# Altium PCB Moki V2.PcbDoc
Units mm, origin at the board's own origin, x right, y up, seen from the top; angles counter-clockwise.
Board outline 66.99 x 45 mm, 2 copper layers (Top Layer, Bottom Layer), stack 1.534 mm thick; 57 components, 58 nets, 287 pads, 120 vias.
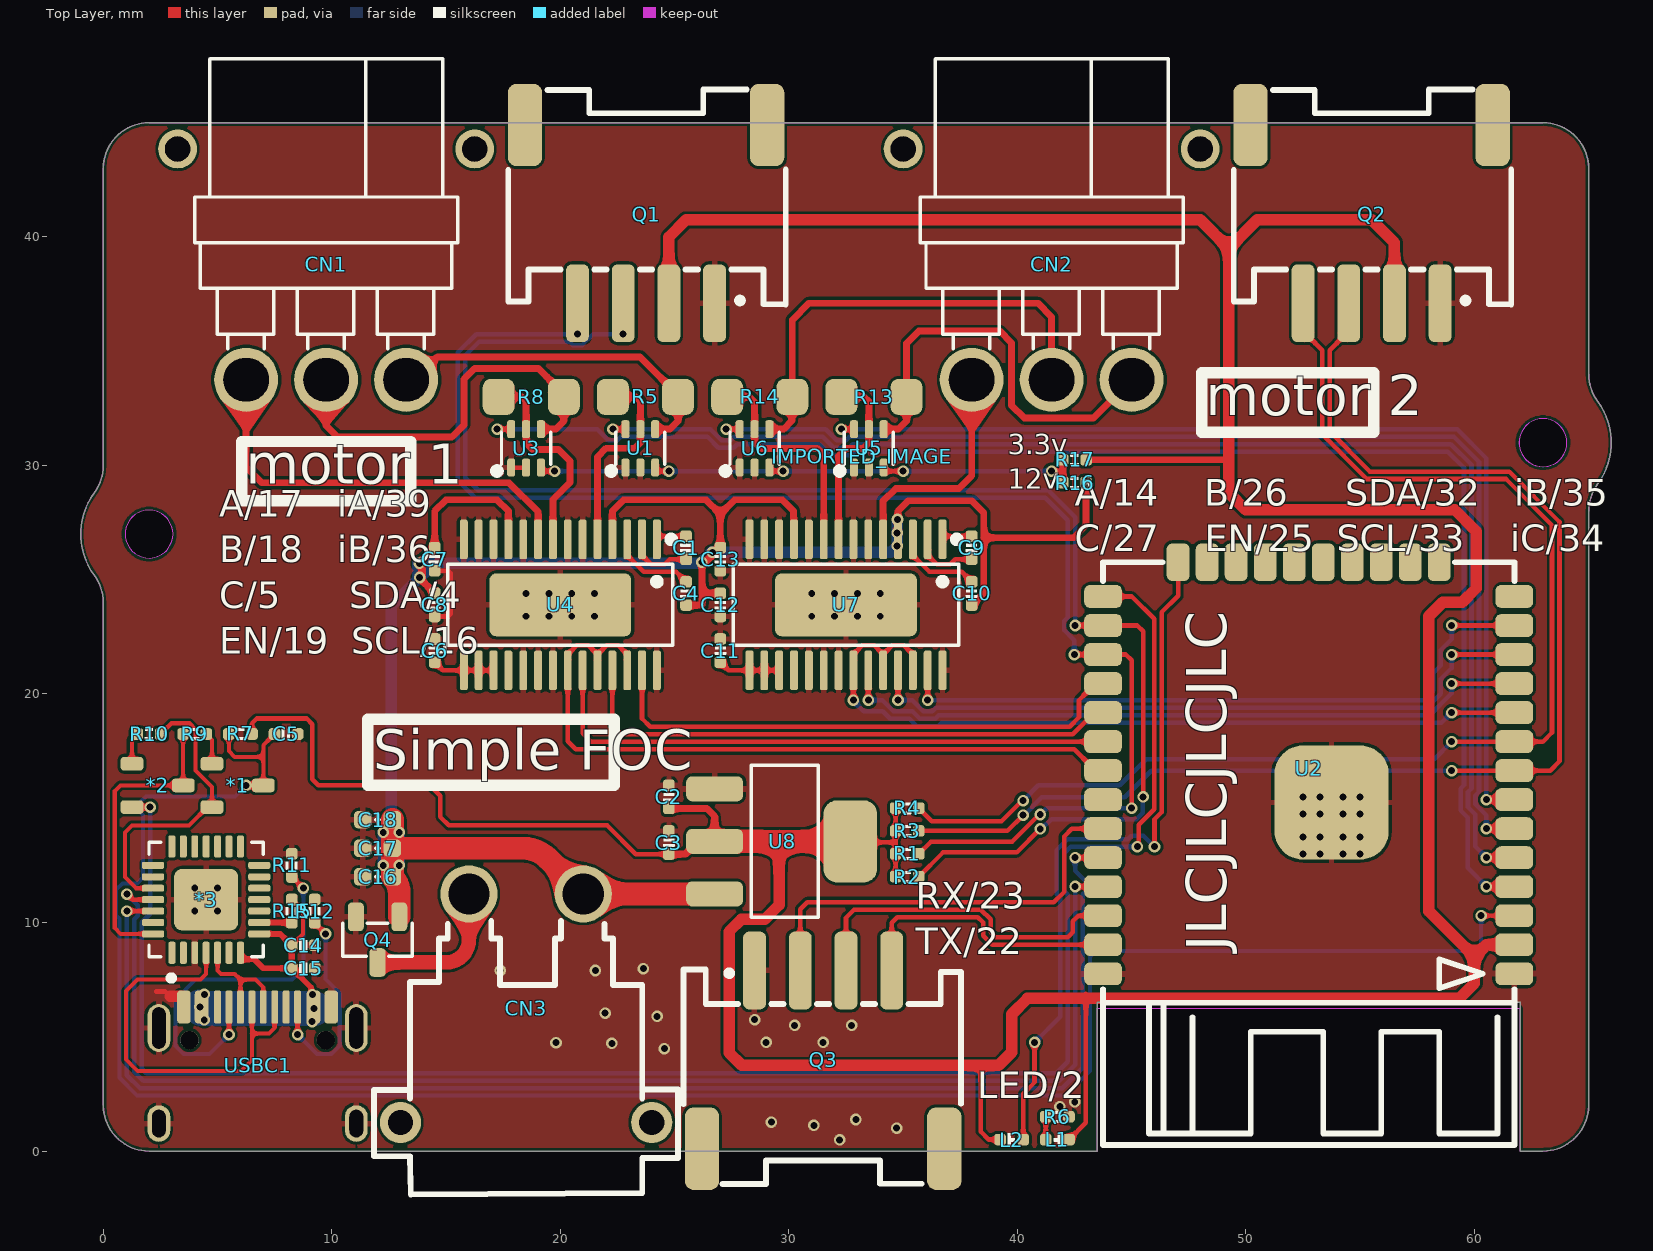
[diagram p0: Top Layer view]
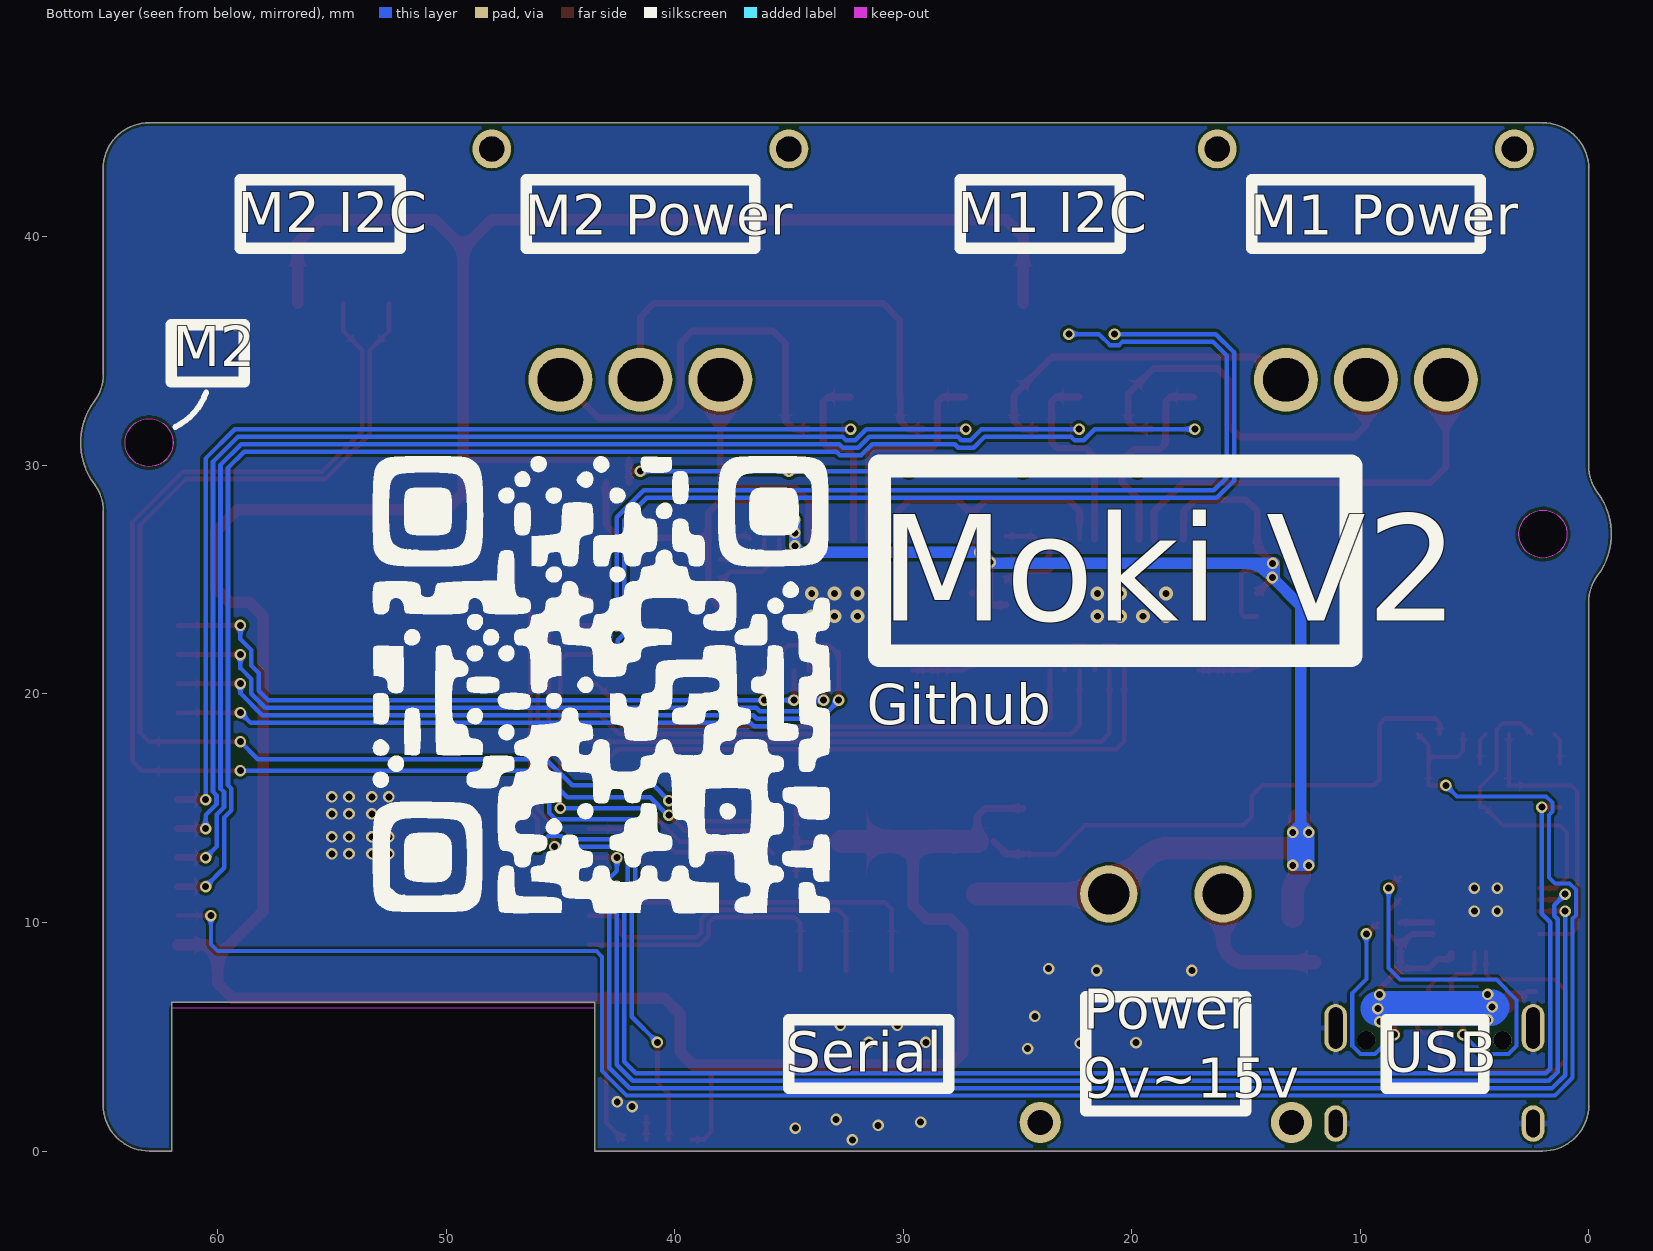
[diagram p1: Bottom Layer view, seen from below]
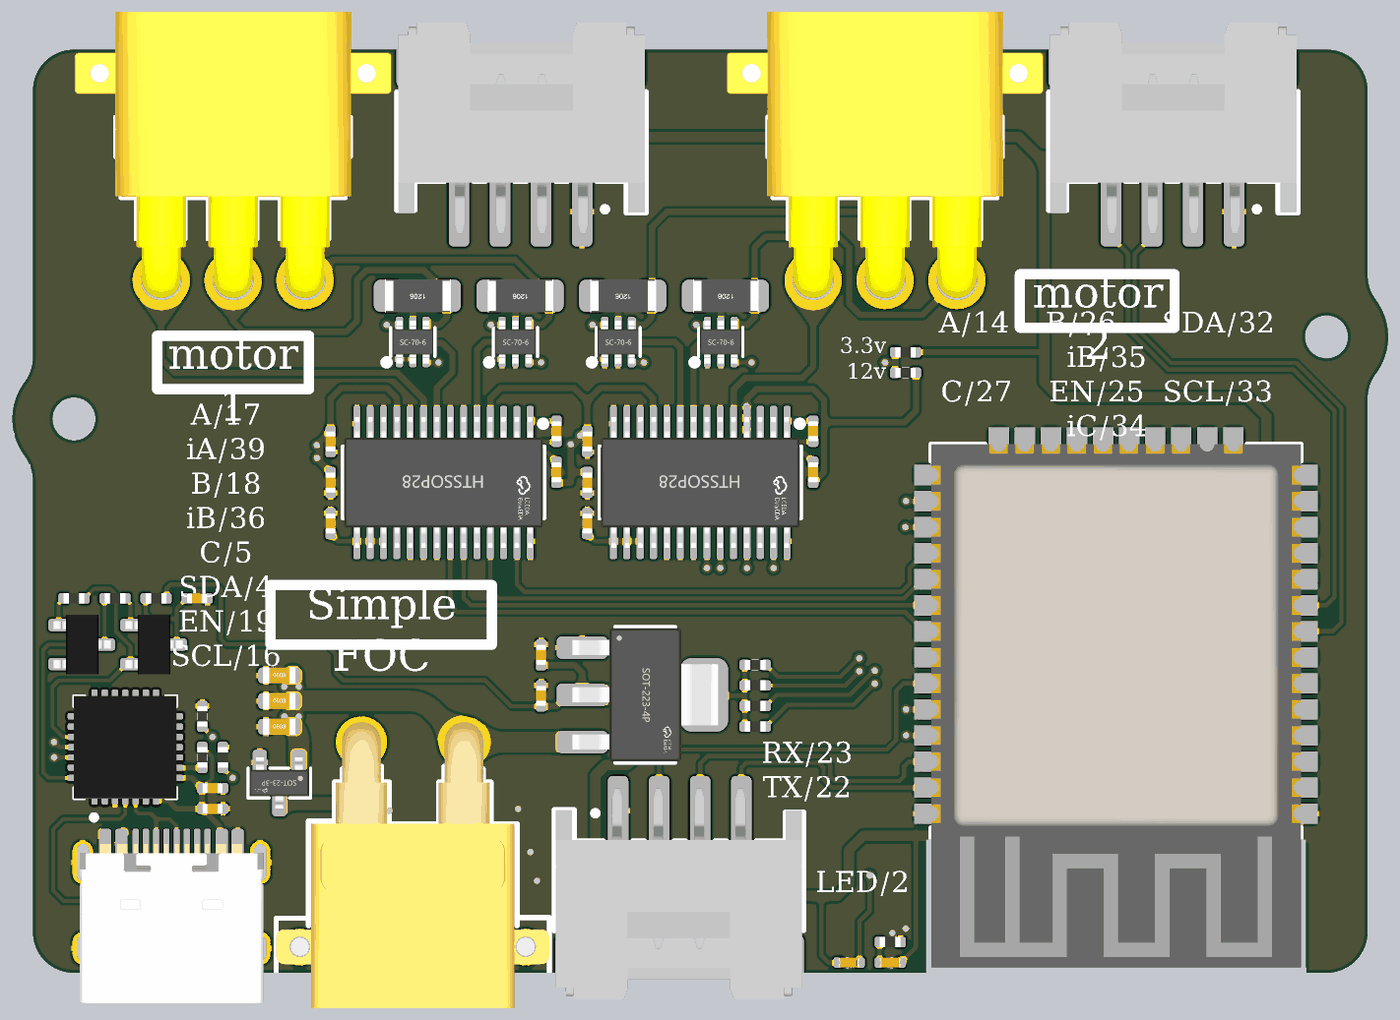
[diagram p2: 3D render of the assembled board from above, using the file's embedded part models]

## Layer stack, top to bottom
Top Solder: solder mask 0.0127, Solder Resist, Dk 3.3
Top Layer: signal copper 0.0178
Dielectric1: core 1.4986, FR-4, Dk 4.3
Bottom Layer: signal copper 0.0178
Bottom Solder: solder mask 0.0127, Solder Resist, Dk 3.3

## Board outline
0,2 0,24 ccw(c-2,24) -0.4,25.2 cw(c2,27) -0.4,28.8 ccw(c-2,30) 0,30 0,43 cw(c2,43) 2,45 63,45 cw(c63,43) 65,43 65,34 ccw(c67,34) 65.4,32.8 cw(c63,31) 65.4,29.2 ccw(c67,28) 65,28 65,2 cw(c63,2) 63,0 62,0 62,6.5 43.5,6.5 43.5,0 2,0 cw(c2,2)
cut-out: 61.95,31 ccw(c63,31) 63,29.95 ccw(c63,31) 64.05,31 ccw(c63,31) 63,32.05 ccw(c63,31)
cut-out: 0.95,27 ccw(c2,27) 2,25.95 ccw(c2,27) 3.05,27 ccw(c2,27) 2,28.05 ccw(c2,27)

## Design rules (kind name [scope] priority, off if disabled: settings)
Clearance [All] p1: gap=0.127 ignorepadtopadclearanceinfootprint=FALSE
ComponentClearance [All] p1: gap=0 collisioncheckmode=3 verticalgap=0 showdistances=FALSE
DiffPairsRouting [All] p1: maxlimit=0.229 minlimit=0.229 mostfreqgap=0.229 toplayer_minwidth=0.102 toplayer_maxwidth=0.102 toplayer_prefwidth=0.102 bottomlayer_minwidth=0.102 bottomlayer_maxwidth=0.102 bottomlayer_prefwidth=0.102 maxuncoupledlength=12.7
FanoutControl Fanout_BGA [All] p1: bgadir=Out bgaviamode=Centered fanoutstyle=Auto fanoutdirection=Alternating viagrid=0.025 // Fanout_BGA (Default Rule)
HoleSize [All] p1: absolutevalues=TRUE maxlimit=254 minlimit=0.203 maxpercent=80.000 minpercent=20.000
MinimumSolderMaskSliver [All] p1 off: minsoldermaskwidth=0.051
PlaneClearance [All] p1: clearance=0.127
PlaneConnect [All] p1: pad.planeconnectstyle=Relief pad.reliefexpansion=0.127 pad.reliefentries=4 pad.reliefconductorwidth=0.254 pad.reliefairgap=0.127 via.planeconnectstyle=Direct via.reliefexpansion=0.127 via.reliefentries=4 via.reliefconductorwidth=0.254 via.reliefairgap=0.127
PolygonConnect [All] p1: thpad.connectstyle=Relief thpad.reliefconductorwidth=0.254 thpad.reliefentries=4 thpad.polygonreliefangle="90 Angle" thpad.airgapwidth=0.127 smdpad.connectstyle=Relief smdpad.reliefconductorwidth=0.254 smdpad.reliefentries=4 smdpad.polygonreliefangle="90 Angle" smdpad.airgapwidth=0.127 via.connectstyle=Direct via.reliefconductorwidth=0.254 via.reliefentries=4 via.polygonreliefangle="90 Angle" via.airgapwidth=0.127
RoutingVias [All] p1: holewidth=0.203 width=0.406 viastyle="Through Hole" minholewidth=0.152 minwidth=0.305 maxholewidth=0.711 maxwidth=1.27
SilkToSilkClearance [All] p1: silktosilkclearance=0
SilkToSolderMaskClearance [IsPad] p1: minsilkscreentomaskgap=0 clearancetoexposedcopper=TRUE
SolderMaskExpansion [All] p1: expansion=0.076 istentingtop=FALSE
UnRoutedNet [All] p1: checkbadconnections=TRUE
Width [All] p1: maxlimit=254 minlimit=0.152 preferedwidth=0.178
20 further rules are at their usual default settings.

## Components (designator, comment, footprint, x,y, rotation, side; value= is the part's Value field where it differs from the comment)
*1 "S8050" SOT22-3 6,16 r0 top
*2 "S8050" SOT22-3 2.5,16 r0 top
*3 "CP2102" QFN-28 4.5,11 r90 top
C1 "0.01uF" 电容-0402 25.5,26.4 r90 top locked
C2 "10uF" 电容-0402 24.75,15.5 r90 top
C3 "0.1uF" 电容-0402 24.75,13.5 r90 top
C4 "0.1uF" 电容-0402 25.5,24.4 r270 top locked
C5 "10uF" 电容-0402 8,18.25 r0 top
C6 "0.1uF" 电容-0402 14.5,21.9 r270 top locked
C7 "10uF" 电容-0402 14.5,25.9 r90 top locked
C8 "0.1uF" 电容-0402 14.5,23.9 r90 top locked
C9 "0.01uF" 电容-0402 38,26.4 r90 top locked
C10 "0.1uF" 电容-0402 38,24.4 r270 top locked
C11 "0.1uF" 电容-0402 27,21.9 r270 top
C12 "10uF" 电容-0402 27,23.9 r90 top locked
C13 "0.1uF" 电容-0402 27,25.9 r90 top locked
C14 "10uF" 电容-0402 8.75,9 r0 top
C15 "10uF" 电容-0402 8.75,8 r180 top
C16 "10uF" C0603_L 12,12 r0 top
C17 "10uF" C0603_L 12,13.25 r0 top
C18 "10uF" C0603_L 12,14.5 r0 top
CN1 "MR30PW-F" CONN-TH_MR30PW-F 9.75,36.25 r180 top locked
CN2 "MR30PW-F" CONN-TH_MR30PW-F 41.5,36.25 r180 top locked
CN3 "XT30PW-M" CONN-TH_XT30PW-M 18.5,6.25 r0 top locked
IMPORTED_IMAGE "Comment" IMPORTED_IMAGE 33.2,30.4 r0 top
L1 "LED-0402" LED-0402 41.75,0.5 r180 top
L2 "LED-0402" LED-0402 39.75,0.5 r0 top
Q1 "GROVE" GROVE 23.75,41 r180 top locked
Q2 "GROVE" GROVE 55.5,41 r180 top locked
Q3 "GROVE" GROVE 31.5,4 r0 top locked
Q4 "AO3400_C181090" SOT-23-3_L2.9-W1.3-P1.90-LS2.4-BR 12,9.25 r90 top
R1 "10K" 电阻-0402 35.177,13.007 r0 top
R2 "10K" 电阻-0402 35.177,12.007 r0 top
R3 "10K" 电阻-0402 35.177,14.007 r0 top
R4 "10K" 电阻-0402 35.177,15.007 r0 top
R5 "0.001" R1206 23.75,33 r180 top
R6 "5.1K" 电阻-0402 41.75,1.5 r0 top
R7 "10K" 电阻-0402 6,18.25 r0 top
R8 "0.001" R1206 18.75,33 r180 top
R9 "10K" 电阻-0402 4,18.25 r0 top
R10 "10K" 电阻-0402 2,18.25 r180 top
R11 "5.1K" 电阻-0402 8.25,12.5 r90 top
R12 "5.1K" 电阻-0402 9.25,10.5 r90 top
R13 "0.001" R1206 33.75,33 r180 top
R14 "0.001" R1206 28.75,33 r180 top
R15 "5.1K" 电阻-0402 8.25,10.5 r270 top
R16 "NC" 电阻-0402 42.5,29.25 r0 top
R17 "NC" 电阻-0402 42.5,30.25 r0 top
U1 "INA199B1DCKR" SC-70-6_L2.2-W1.3-P0.65-LS2.1-BL 23.5,30.75 r0 top
U2 "ESP32-WROOM-32" ESP32-WROOM-32 53.75,15.25 r180 top locked
U3 "INA199B1DCKR" SC-70-6_L2.2-W1.3-P0.65-LS2.1-BL 18.5,30.75 r0 top
U4 "DRV8313PWPR" HTSSOP-28_L9.8-W4.5-P0.65-LS6.6-BL-EP 20,23.9 r180 top locked
U5 "INA199B1DCKR" SC-70-6_L2.2-W1.3-P0.65-LS2.1-BL 33.5,30.75 r0 top
U6 "INA199B1DCKR" SC-70-6_L2.2-W1.3-P0.65-LS2.1-BL 28.5,30.75 r0 top
U7 "DRV8313PWPR" HTSSOP-28_L9.8-W4.5-P0.65-LS6.6-BL-EP 32.5,23.9 r180 top locked
U8 "AMS1117" SOT-223-3_L6.5-W3.4-P2.30-LS7.0-BR 29.72,13.55 r180 top
USBC1 "TYPE-C 2.0 -16P" USB-C-SMD_16P 6.75,3.75 r0 top locked

## Footprints (in the part's own frame and the unit in brackets; to place one, negate y for a bottom-side part, rotate by r counter-clockwise, add the part's x,y. Pads: shape width x height; smd on the part's side, far side on the other; paste and mask are expansions set on the pad)
C0603_L [mil] "贴片MLCC电容"
  rrect50% 30x30 smd: 1(-25.59,0) 2(25.59,0)
  silkscreen extent -3,-9 3,9, body extent -31,-16 32,16, height 33
CONN-TH_MR30PW-F [mm]
  round 2.799 hole 1.9 slot 1.994 at 0 deg mask+0.05: 1(-3.5,2.499) 2(0,2.499) 3(3.5,2.499)
  round 1.699 hole 1.1 mask+0.05: 4(6.5,-7.6) 5(-6.5,-7.6)
  silkscreen extent -5.75,-11.56 5.75,1.15, body extent -7.7,-10.6 7.7,3.35, height 5.05
CONN-TH_XT30PW-M [mm]
  round 2.5 hole 1.8 mask+0.051: 1(-2.5,5) 2(2.5,5)
  round 1.8 hole 1.1 mask+0.051: 3(5.5,-5) 4(-5.5,-5)
  silkscreen extent -6.65,-8.15 6.65,3.81, body extent -6.65,-7.98 6.65,5.97, height 5
ESP32-WROOM-32 [mil]
  rrect50% 65x39.4 smd mask+2: 1(-314.9,295) 2(-314.9,245) 3(-314.9,195) 4(-314.9,145) 5(-314.9,95) 6(-314.9,45) 7(-314.9,-5) 8(-314.9,-55) 9(-314.9,-105) 10(-314.9,-155) 11(-314.9,-205) 12(-314.9,-255) 13(-314.9,-305) 14(-314.9,-355) 25(393.7,-355) 26(393.7,-305) 27(393.7,-255) 28(393.7,-205) 29(393.7,-155) 30(393.7,-105) 31(393.7,-55) 32(393.7,-5) 33(393.7,45) 34(393.7,95) 35(393.7,145) 36(393.7,195) 37(393.7,245) 38(393.7,295)
  rrect50% 39.4x65 smd mask+2: 15(-185.6,-414) 16(-135.6,-414) 17(-85.6,-414) 18(-35.6,-414) 19(14.4,-414) 20(64.4,-414) 21(114.4,-414) 22(164.4,-414) 23(214.4,-414) 24(264.4,-414)
  rrect50% 196.9x196.9 smd mask+2: 39(0,0)
  silkscreen extent -315,-414 394,590, body extent -315,-414 394,590, height 122
GROVE [mm]
  rrect50% 1x3.4 smd: 1(-3,3.9) 2(-1,3.9) 3(1,3.9) 4(3,3.9)
  rrect50% 1.5x3.6 smd: 5(5.3,-3.9) 6(-5.3,-3.9)
  silkscreen extent -6.11,-5.45 6.03,3.95, body extent -6.04,-5.32 5.96,4.98, height 5.2
HTSSOP-28_L9.8-W4.5-P0.65-LS6.6-BL-EP [mil]
  rrect50% 13.5x68.2 smd mask+2: 1(-166.3,-112.8) 2(-140.7,-112.8) 3(-115.2,-112.8) 4(-89.6,-112.8) 5(-64,-112.8) 6(-38.4,-112.8) 7(-12.8,-112.8) 8(12.8,-112.8) 9(38.4,-112.8) 10(64,-112.8) 11(89.6,-112.8) 12(115.2,-112.8) 13(140.8,-112.8) 14(166.3,-112.8) 15(166.3,112.8) 16(140.8,112.8) 17(115.2,112.8) 18(89.6,112.8) 19(64,112.8) 20(38.4,112.8) 21(12.8,112.8) 22(-12.8,112.8) 23(-38.4,112.8) 24(-64,112.8) 25(-89.6,112.8) 26(-115.2,112.8) 27(-140.7,112.8) 28(-166.3,112.8)
  rrect20% 244.1x108.3 smd mask+2: 29(0,0)
  silkscreen extent -197,-119 194,70, body extent -190,-126 190,126, height 51
IMPORTED_IMAGE [mm]
LED-0402 [mil]
  rrect50% 20x20 smd: 1(-20,0) 2(20,0)
  silkscreen extent -6,-10 6,10, body extent -20,-10 20,10, height 18
QFN-28 [mil]
  rrect50% 38x12 smd mask+5: 1(-91.5,59.06) 2(-91.5,39.37) 3(-91.5,19.68) 4(-91.5,0) 5(-91.5,-19.69) 6(-91.5,-39.37) 7(-91.5,-59.06) 15(91.5,-59.06) 16(91.5,-39.37) 17(91.5,-19.69) 18(91.5,0) 19(91.5,19.68) 20(91.5,39.37) 21(91.5,59.06)
  rrect50% 12x38 smd mask+5: 8(-59.06,-91.5) 9(-39.37,-91.5) 10(-19.68,-91.5) 11(0,-91.5) 12(19.69,-91.5) 13(39.37,-91.5) 14(59.06,-91.5) 22(59.06,91.5) 23(39.37,91.5) 24(19.69,91.5) 25(0,91.5) 26(-19.68,91.5) 27(-39.37,91.5) 28(-59.06,91.5)
  rrect25% 106.3x110.24 smd: 29(0,0)
  silkscreen extent -140,-98 98,98, body extent -98,-98 98,98, height 35
R1206 [mil]
  rrect50% 55x62 smd: 1(-55.12,0) 2(57.09,0)
  body extent -63,-31 63,32, height 22
SC-70-6_L2.2-W1.3-P0.65-LS2.1-BL [mm]
  rrect50% 0.35x0.78 smd mask+0.051: 1(-0.65,-0.84) 2(0,-0.84) 3(0.65,-0.84) 4(0.65,0.84) 5(0,0.84) 6(-0.65,0.84)
  silkscreen extent -1.43,-1.14 1.08,0.7, body extent -1,-1.05 1,1.05, height 1
SOT22-3 [mm]
  rrect50% 1x0.6 smd: 1(-1.246,0.95) 2(-1.246,-0.95) 3(1,0)
  body extent -1.5,-1.45 1.3,1.45, height 1.2
SOT-23-3_L2.9-W1.3-P1.90-LS2.4-BR [mm]
  rrect50% 1.25x0.7 smd mask+0.051: 1(1,-0.95) 2(1,0.95) 3(-1,0)
  silkscreen extent -0.73,-1.53 0.73,1.53, body extent -1.25,-1.45 1.25,1.45, height 1.05
SOT-223-3_L6.5-W3.4-P2.30-LS7.0-BR [mm]
  rrect50% 2.5x1.1 smd mask+0.051: 1(2.97,-2.3) 2(2.97,0) 3(2.97,2.3)
  rrect50% 2.34x3.6 smd mask+0.051: 4(-2.97,0)
  silkscreen extent -1.57,-3.33 1.37,3.33, body extent -3.65,-3.25 3.45,3.25, height 1.75
USB-C-SMD_16P [mil]
  oval 39.4x82.7 hole 23.6 slot 70.9 at 90 deg mask+2: 13(-170.1,64.3) 14(170.1,64.3)
  oval 39.4x63 hole 23.6 slot 47.2 at 90 deg mask+2: 15(-170.1,-100.3) 16(170.1,-100.3)
  round 31.5 hole 31.5 mask+0: 27(-117.28,43.39) 27(117.28,43.39)
  rrect50% 23.6x57.1 smd mask+2: A1B12(-127,100.3) A4B9(-96.5,100.3) B1A12(126.8,100.3) B4A9(96.5,100.3)
  rrect50% 11.8x57.1 smd mask+2: A5(-49.2,100.3) A6(-9.8,100.3) A7(9.8,100.3) A8(49.2,100.3) B5(68.9,100.3) B6(29.5,100.3) B7(-29.5,100.3) B8(-68.9,100.3)
  body extent -176,-206 176,99, height 128
电容-0402 [mil]
  rrect50% 20x20 smd: 1(-20,0) 2(20,0)
  silkscreen extent -7,-9 7,9, body extent -20,-10 20,10, height 20
电阻-0402 [mil]
  rrect50% 20x20 smd: 1(-20,0) 2(20,0)
  silkscreen extent -6,-10 6,10, body extent -20,-10 20,10, height 14

## Part data
C1 C2 C3 C4 C5 C6 C7 C8 C9 C10 C11 C12 C13 C14 C15 C16 C17 C18: library part 电容, "贴片电容/MLCC电容", BOM名称=无极性贴片电容
CN1 CN2: JLCPCB Part Class=扩展库, Add into BOM=yes, Convert to PCB=yes, Device=MR30PW-F, LCSC Part Name=MR30PW-F, Manufacturer Part=MR30PW-F, Name=MR30PW-F, Supplier=LCSC, Supplier Footprint="Through hole", Supplier Part=C2928110, Symbol=MR30PW-F
CN3: "Socket,DCsupply,XT30,male,PIN:2", JLCPCB Part Class=扩展库, LCSC Part Name=XT30PW-M公头, Manufacturer=AMASS(艾迈斯), Add into BOM=yes, Convert to PCB=yes, Datasheet=https://atta.szlcsc.com/upload/public/pdf/source/20220222/6A9F22F7850E25B33E1BE430ADF8560B.pdf, Device=XT30PW-M, Manufacturer Part=XT30PW-M, Name=XT30PW-M, Supplier=LCSC, Supplier Footprint=-, Supplier Part=C431092, Symbol=XT30PW-M
Q4: library part AO3400, "类型:N沟道;漏源电压(Vdss):30V;连续漏极电流(Id):5.8A;功率(Pd):350mW;导通电阻(RDS(on)@Vgs,Id):35mΩ@10V,5.8A;阈值电压(Vgs(th)@Id):1.4V@250uA;", Continuous Drain Current (Id)=5.8A, Drain Source On Resistance (RDS(on)@Vgs,Id)=35mΩ@10V,5.8A, Drain Source Voltage (Vdss)=30V, Gate Threshold Voltage (Vgs(th)@Id)=1.4V@250uA, JLCPCB Part Class=扩展库, LCSC Part Name="N沟道 30V 5.8A", Manufacturer=Hottech(合科泰), Power Dissipation (Pd)=350mW, Add into BOM=yes, Convert to PCB=yes, Datasheet=https://atta.szlcsc.com/upload/public/pdf/source/20220427/6A3871894567E8883DB64081D5FF8011.pdf, Device=AO3400_C181090, Manufacturer Part=AO3400, Name=AO3400, Supplier=LCSC, Supplier Footprint=SOT-23-3, Supplier Part=C181090, Symbol=AO3400_C181090, Type=N沟道
R1 R2 R3 R4 R5 R6 R7 R8 R9 R10 R11 R12 R13 R14 R15 R16 R17: library part 电阻, "贴片电阻", BOM名称=贴片电阻
U1 U3 U5 U6: "INA199 26V、双向、零漂移、低侧/高侧、电压输出分流监控器", JLCPCB Part Class="Extended Part", Manufacturer=TI(德州仪器), Add into BOM=yes, Convert to PCB=yes, Datasheet=https://atta.szlcsc.com/upload/public/pdf/source/20190618/C398920_11F1AA1C0E9C9D9BC4E845E2D57884D2.pdf, Device=INA199B1DCKR, LCSC Part Name=INA199B1DCKR, Manufacturer Part=INA199B1DCKR, Supplier=LCSC, Supplier Footprint=SC-70-6, Supplier Part=C398920, Symbol=INA199B1DCKR
U4 U7: "DRV8313 三路 1/2 H 桥驱动器 IC", JLCPCB Part Class=扩展库, Manufacturer=TI(德州仪器), Add into BOM=yes, Convert to PCB=yes, Datasheet=https://atta.szlcsc.com/upload/public/pdf/source/20180307/C92482_15204091381071407760.pdf, Device=DRV8313PWPR, LCSC Part Name=DRV8313PWPR, Manufacturer Part=DRV8313PWPR, Name=DRV8313PWPR, Supplier=LCSC, Supplier Footprint=HTSSOP-28, Supplier Part=C92482, Symbol=DRV8313PWPR
U8: library part AMS1117-3.3_C6186, "输出类型:固定;输出极性:正;输出通道数:1;最大输入电压:-;输出电压:3.3V;压差:1.3V@(800mA);静态电流(地电流):-;输出电流:1A;电源纹波抑制比(PSRR):72dB@(120Hz);噪声:-;特性:-;工作温度:-;", Dropout Voltage=1.3V@(800mA), JLCPCB Part Class=基础库, LCSC Part Name="Vout=3.3V 1A 72dB@(120Hz)", Manufacturer=美国AMS, Manufacturer Part=AMS1117-3.3, Maximum Input Voltage=-, Output Current=1A, Output Voltage=3.3V, Power Supply Rejection Ratio (PSRR)=72dB@(120Hz), Add into BOM=yes, Convert to PCB=yes, Datasheet=https://atta.szlcsc.com/upload/public/pdf/source/20180727/C6186_7A095716F0823C02F1997A905E26C086.pdf, Device=AMS1117-3.3_C6186, Feature=-, Name=AMS1117-3.3, Noise=-, Number of Outputs=1, Operating Temperature=-, Output Polarity=正, Output Type=固定, Quiescent Current (Ground Current)=-, Supplier=LCSC, Supplier Footprint=SOT-223, Supplier Part=C6186, Symbol=AMS1117-3.3
USBC1: library part Type-C_16Pin, "USB2.0_Type-C_16Pin母座"

## Via types
v1: diameter 0.505, hole 0.305, Top Layer to Bottom Layer, tented both sides, 104 vias
v2: diameter 0.6, hole 0.3, Top Layer to Bottom Layer, tented bottom, 16 vias

## Nets (pads, with @x,y where several pads share a name; then routed paths per layer and width w, separated by ;. In a path a pad name is that pad's centre, name@x,y a point inside that pad or via, vN(x,y) a via of type N, cw(c..) or ccw(c..) an arc to the next point about the centre after c; other vN are vias at no path point)
BootMode: *2.2 U2.25 | length 78.6
  Top Layer w0.2: *2.2 v1(2.052,15.05) ; U2.25 45,24.267 45.982,23.285 45.982,14.961 45.305,14.284 45.305,13.371 v1(45.25,13.317)
  Bottom Layer w0.2: v1(2.052,15.05) 2.052,10.381 1.684,10.013 1.684,3.595 1.875,3.404 41.697,3.404 42.198,3.905 42.198,11.224 42.045,11.376 42.045,13.036 42.326,13.317 v1(45.25,13.317)
CC1: R11.1 USBC1.A5 | length 16.4
  Top Layer w0.178: v1@5.5,5.092 USBC1.A5 ; R11.1 8.254,11.992 8.746,11.5 v1(8.75,11.5)
  Bottom Layer w0.178: v1(5.5,5.092) 4.644,4.236 3.516,4.236 3.155,4.597 3.155,6.617 4.038,7.5 8.25,7.5 8.75,8 v1(8.75,11.5)
CC2: R12.1 USBC1.B5 | length 9.4
  Top Layer w0.178: v1(8.5,5.092) USBC1.B5 ; R12.1 9.25,9.986 9.729,9.507 v1(9.729,9.5)
  Bottom Layer w0.178: v1(8.5,5.092) 9.356,4.236 9.984,4.236 10.345,4.597 10.345,6.905 9.729,7.521 v1(9.729,9.5)
Cp_RX: *3.25 U2.35 | length 59.9
  Top Layer w0.2: v1(1.026,11.246) 1.05,11.246 1.295,11 *3.25 ; v1(42.525,11.575) 42.529,11.571 43.746,11.571 U2.35
  Bottom Layer w0.2: v1(1.026,11.246) 1.509,10.762 1.509,10.301 1.357,10.149 1.357,3.459 1.739,3.077 41.832,3.077 42.525,3.77 v1(42.525,11.575)
Cp_TX: *3.26 U2.34 | length 61.4
  Top Layer w0.2: v1(1.03,10.5) *3.26 ; v1(42.525,12.837) U2.34
  Bottom Layer w0.2: v1(1.03,10.5) 1.03,3.324 1.604,2.75 41.968,2.75 42.859,3.641 42.859,11.231 43.004,11.376 43.004,11.776 42.525,12.256 v1(42.525,12.837)
DN: *3.5 USBC1.A7 USBC1.B7 | length 5.1
  Top Layer w0.178: *3.5 5,7.9 5.15,7.75 5.75,7.75 6.001,7.499 ; USBC1.B7 6.001,7.499 ; USBC1.A7 6.999,7.156 6.656,7.499 6.001,7.499
DP: *3.4 USBC1.A6 USBC1.B6 | length 18
  Top Layer w0.178: *3.4 4.5,7.742 4.257,7.499 1.492,7.499 0.99,6.998 0.99,4 1.49,3.5 6.025,3.5 6.501,3.976 6.501,5.137 ; USBC1.A6 6.501,5.137 ; USBC1.B6 7.492,6.29 7.492,5.383 7.245,5.137 6.501,5.137
DTR: *2.3 *3.28 R9.1 | length 13.1
  Top Layer w0.178: *3.28 0.75,9.5 0.5,9.75 0.5,15.75 0.75,16 *2.3 3.492,16.008 R9.1
EspEN: *1.3 C5.1 R7.1 U2.3 | length 91.8
  Top Layer w0.178: R7.1 5.492,17.508 5.75,17.25 7,17.25 ; v1(6.25,16) *1.3 7,17.25 ; C5.1 7,17.758 7,17.25 ; v1(60.297,10.297) U2.3
  Bottom Layer w0.178: v1(6.25,16) 5.768,15.518 1.858,15.518 1.583,15.244 1.583,14.856 1.736,14.703 1.736,11.974 1.475,11.714 0.832,11.714 0.557,11.44 0.557,10.31 0.701,10.166 0.701,3.206 1.473,2.434 42.099,2.434 43.175,3.51 43.175,8.5 43.425,8.75 60,8.75 60.297,9.047 v1(60.297,10.297)
GND: *3.3 *3.29 C2.2 C3.2 C5.2 C6.1 C7.1 C8.1 C11.1 C12.1 C13.1 C14.2 C15.1 C16.1 C17.1 C18.1 Q1.1 Q2.1 Q3.1 Q4.2 R6.2 R11.2 R12.2 U1.1 U1.2 U2.1 U2.38 U2.39 U3.1 U3.2 U4.6 U4.7 U4.10 U4.12 U4.13 U4.14 U4.19 U4.20 U4.21 U4.28 U4.29 U5.1 U5.2 U6.1 U6.2 U7.6 U7.7 U7.10 U7.12 U7.13 U7.14 U7.19 U7.20 U7.21 U7.28 U7.29 U8.1 USBC1.13 USBC1.14 USBC1.15 USBC1.16 USBC1.A1B12 USBC1.B1A12 | length 6.2
  Top Layer w0.2: 2.326,6.981 2.715,6.981 2.923,6.773 ; USBC1.A1B12@3.328,6.773 3.524,6.577 USBC1.A1B12 ; C8.1 15.089,23.392 15.206,23.509 15.206,25.275 15.089,25.392 C7.1 ; U3.1 U3.2
  Top Layer w0.5: 2.923,6.773 3.049,6.773 3.474,6.773 3.524,6.723 USBC1.A1B12
  other v1: 32.218,0.488 34.717,1.006 31.097,1.12 29.23,1.264 32.936,1.379 41.856,1.94 42.511,2.155 24.548,4.481 22.25,4.711 19.808,4.74 29,4.75 31.5,4.75 30.25,5.5 32.75,5.5 28.5,5.75 24.232,5.889 21.963,6.033 17.367,7.9 21.532,7.9 23.629,7.986 4,10.5 5,10.5 4,11.5 5,11.5 52.5,13 53.25,13 54.25,13 55,13 52.5,13.75 53.25,13.75 54.25,13.75 55,13.75 52.5,14.75 53.25,14.75 54.25,14.75 55,14.75 52.5,15.5 53.25,15.5 54.25,15.5 55,15.5
  other v2: 18.499,23.4 19.5,23.4 20.5,23.4 21.499,23.4 30.999,23.4 32,23.4 33,23.4 33.999,23.4 18.499,24.4 19.5,24.4 20.5,24.4 21.499,24.4 30.999,24.4 32,24.4 33,24.4 33.999,24.4
GPIO21: Q3.2 U2.33 | length 18.8
  Top Layer w0.2: Q3.2 30.5,10.581 30.81,10.891 41.599,10.891 42.045,11.337 42.045,13.765 42.387,14.107 U2.33
M1-EN: U2.31 U4.22 U4.24 U4.26 | length 32.4
  Top Layer w0.2: U4.24 U4.24@21.626,21.73 ; U4.26 22.926,21.73 22.528,22.128 22.024,22.128 U4.24@21.626,21.73 ; U2.31 43.425,16.647 42.49,17.582 20.668,17.582 20.325,17.925 U4.22 20.325,21.73 20.724,22.128 21.227,22.128 U4.24@21.626,21.73
M1-I2C-SCL: Q1.4 R1.2 U2.27 | length 63.9
  Top Layer w0.2: R1.2 36.218,13.54 39.767,13.54 40.954,14.727 v1(41,14.727) ; v1(42.49,21.727) U2.27 44.75,21.727 45,21.477 v1(45,15.007)
  Bottom Layer w0.2: v1(20.75,35.75) 16.319,35.75 15.519,34.95 15.519,29.335 16.27,28.585 41.22,28.585 42.198,27.607 42.198,23.348 42.045,23.196 42.045,22.798 42.49,22.354 v1(42.49,21.727) ; v1(41,14.727) 41.28,15.007 v1(45,15.007)
M1-I2C-SDA: Q1.3 R2.2 U2.26 | length 66.9
  Top Layer w0.2: R2.2 36.743,13.066 39.971,13.066 v1(41,14.095) ; v1(42.525,22.997) U2.26 45.253,22.997 45.5,22.75 v1(45.5,15.5)
  Bottom Layer w0.2: v1(22.75,35.75) 21.428,35.75 20.949,35.27 20.551,35.27 20.399,35.423 16.454,35.423 15.846,34.815 15.846,29.471 16.405,28.912 41.356,28.912 42.525,27.742 v1(42.525,22.997) ; v1(41,14.095) 41.046,14.095 41.477,14.526 45.212,14.526 45.48,14.794 45.48,15.48 v1(45.5,15.5)
M1-iSens-1: U1.6 U2.5 | length 57.8
  Top Layer w0.2: v1(22.3,31.59) U1.6
  Top Layer w0.3: v1(60.527,12.837) U2.5
  Bottom Layer w0.2: v1(22.3,31.59) 26.572,31.59 27.051,31.11 27.449,31.11 27.601,31.263 31.486,31.263 31.966,30.783 32.634,30.783 32.787,30.936 57.692,30.936 58.971,30.936 59.873,30.034 59.873,28.755 59.873,15.864 59.72,15.711 59.72,15.043 60.036,14.727 60.036,13.328 v1(60.527,12.837)
M1-iSens-2: U2.4 U3.6 | length 64.1
  Top Layer w0.2: v1(17.234,31.59) U3.6
  Top Layer w0.3: v1(60.527,11.567) U2.4
  Bottom Layer w0.2: v1(17.234,31.59) 21.622,31.59 22.101,31.11 22.499,31.11 22.651,31.263 26.436,31.263 26.916,30.783 27.584,30.783 27.737,30.936 31.351,30.936 31.83,30.456 32.77,30.456 32.922,30.609 58.836,30.609 59.546,29.899 59.546,15.999 59.393,15.847 59.393,14.907 59.704,14.597 59.704,12.39 v1(60.527,11.567)
M1-port-1: CN1.1 R5.1 U1.4 | length 15.3
  Top Layer w0.3: CN1.1 13.619,33.751 14.618,34.75 23.489,34.75 25.15,33.089 R5.1 25.15,31.938 24.802,31.59 U1.4
M1-port-2: CN1.2 R8.1 U3.4 | length 17.8
  Top Layer w0.3: CN1.2 9.75,31.75 10.25,31.25 15.25,31.25 15.776,31.776 15.776,33.775 16.251,34.25 19.039,34.25 20.15,33.139 R8.1 20.15,31.938 19.802,31.59 U3.4
M1-port-3: CN1.3 U4.9 | length 18.6
  Top Layer w0.3: CN1.3 6.25,29.926 6.933,29.243 17.757,29.243 19.025,27.975 U4.9
M1-PWM-1: U2.28 U4.27 | length 23.7
  Top Layer w0.2: U4.27 23.574,18.926 23.929,18.571 42.288,18.571 42.698,18.981 42.698,19.73 43.425,20.457 U2.28
M1-PWM-2: U2.29 U4.25 | length 24.4
  Top Layer w0.2: U4.25 22.276,18.636 22.668,18.244 42.423,18.244 43.366,19.187 U2.29
M1-PWM-3: U2.30 U4.23 | length 25.7
  Top Layer w0.2: U4.23 20.975,18.275 21.333,17.917 U2.30
M2-EN: U2.10 U7.22 U7.24 U7.26 | length 36.3
  Top Layer w0.2: v1(32.825,19.73) U7.22 32.825,21.73 33.224,22.128 33.727,22.128 U7.24@34.126,21.73 ; U7.24 U7.24@34.126,21.73 ; U7.26 35.426,21.73 35.028,22.128 34.524,22.128 U7.24@34.126,21.73 ; v1(59,19.187) U2.10
  Bottom Layer w0.2: v1(32.825,19.73) 32.825,19.702 33.278,19.249 34.116,19.249 34.442,18.923 35.277,18.923 35.604,18.596 36.543,18.596 36.692,18.745 58.558,18.745 v1(59,19.187)
M2-I2C-SCL: Q2.4 R4.2 U2.9 | length 56.4
  Top Layer w0.2: R4.2 36.257,14.434 39.305,14.434 40.205,15.334 v1(40.249,15.334) ; Q2.4 52.5,35.883 53.337,35.046 53.337,31.36 55.29,29.407 61.382,29.407 63.397,27.392 63.397,18.314 63,17.917 U2.9 v1(59,17.917)
  Bottom Layer w0.2: v1(40.249,15.334) 40.914,15.999 44.488,15.999 45.641,17.152 58.235,17.152 v1(59,17.917)
M2-I2C-SDA: Q2.3 R3.2 U2.8 | length 57.4
  Top Layer w0.2: R3.2 39.556,14.007 v1(40.249,14.7) ; Q2.3 54.5,35.883 53.664,35.047 53.664,31.495 55.425,29.734 61.518,29.734 63.724,27.528 63.724,17.057 63.314,16.647 U2.8 v1(59,16.647)
  Bottom Layer w0.2: v1(40.249,14.7) 40.293,14.7 41.073,15.48 44.696,15.48 45.864,16.647 v1(59,16.647)
M2-iSens-1: U2.7 U5.6 | length 45.5
  Top Layer w0.2: v1(32.3,31.59) U5.6
  Top Layer w0.3: v1(60.527,15.377) U2.7
  Bottom Layer w0.2: v1(32.3,31.59) 59.242,31.59 60.527,30.305 v1(60.527,15.377)
M2-iSens-2: U2.6 U6.6 | length 51.8
  Top Layer w0.2: v1(27.25,31.59) U6.6
  Top Layer w0.3: v1(60.527,14.107) U2.6
  Bottom Layer w0.2: v1(27.25,31.59) 31.622,31.59 32.101,31.11 32.499,31.11 32.651,31.263 57.827,31.263 59.107,31.263 60.2,30.17 60.2,28.89 60.2,15.728 60.047,15.576 60.047,15.178 60.527,14.699 v1(60.527,14.107)
M2-port-1: CN2.1 R13.1 U5.4 | length 18.5
  Top Layer w0.3: U5.4 34.802,31.59 35.15,31.938 R13.1 35.15,35.348 35.685,35.883 39.231,35.883 39.75,35.364 39.75,32.625 40.301,32.074 43.324,32.074 CN2.1
M2-port-2: CN2.2 R14.1 U6.4 | length 20.2
  Top Layer w0.3: U6.4 29.776,31.59 30.124,31.938 30.124,32.974 R14.1 30.15,36.376 30.874,37.1 40.9,37.1 41.5,36.5 CN2.2
M2-port-3: CN2.3 U7.5 | length 10.2
  Top Layer w0.3: U7.5 34.126,28.447 34.678,29 37.451,29 38,29.549 CN2.3@38,33.751
M2-PWM-1: U2.13 U7.27 | length 29.5
  Top Layer w0.2: v1(36.074,19.73) U7.27 ; v1(59.001,22.998) U2.13 U2.13
  Bottom Layer w0.2: v1(36.074,19.73) 57.775,19.73 58.193,20.148 58.193,20.919 58.52,21.246 58.52,21.926 59.001,22.407 v1(59.001,22.998)
M2-PWM-2: U2.12 U7.25 | length 30.2
  Top Layer w0.2: v1(34.776,19.73) U7.25 ; v1(59,21.727) U2.12
  Bottom Layer w0.2: v1(34.776,19.73) 35.396,19.73 35.875,19.25 36.272,19.25 36.421,19.399 36.424,19.402 57.91,19.402 58.52,20.012 58.52,20.656 59,21.135 v1(59,21.727)
M2-PWM-3: U2.11 U7.23 | length 30.8
  Top Layer w0.2: v1(33.475,19.73) U7.23 ; v1(59,20.457) U2.11
  Bottom Layer w0.2: v1(33.475,19.73) 34.098,19.73 34.577,19.25 35.413,19.25 35.74,18.923 36.408,18.923 36.556,19.072 36.56,19.075 58.046,19.075 59,20.029 v1(59,20.457)
Net*1_1: *1.1 R9.2 | length 1.4
  Top Layer w0.178: R9.2 4.508,18.229 4.754,17.983 *1.1
Net*2_1: *2.1 R10.2 | length 1.4
  Top Layer w0.178: *2.1 1.254,17.991 1.492,18.229 R10.2
Net*3_9: *3.9 R15.2 | length 1.4
  Top Layer w0.254: *3.9 6.828,9.996 8.246,9.996 R15.2
NetC1_1: C1.1 U4.2 | length 2.9
  Top Layer w0.2: U4.2 23.574,26.07 23.972,25.672 24.568,25.672 24.788,25.892 C1.1
NetC1_2: C1.2 U4.1 | length 1.4
  Top Layer w0.2: U4.1 24.224,26.837 24.295,26.908 C1.2
NetC4_1: C4.1 U4.3 | length 3.8
  Top Layer w0.2: U4.3 22.926,26.07 23.167,25.829 23.168,25.829 23.653,25.345 25.063,25.345 C4.1
NetC6_2: C6.2 U4.15 U4.16 U4.17 | length 2.7
  Top Layer w0.2: C6.2 14.857,21.035 U4.15 U4.17
NetC9_1: C9.1 U7.2 | length 2.9
  Top Layer w0.2: U7.2 36.074,26.07 36.472,25.672 37.068,25.672 37.288,25.892 C9.1
NetC9_2: C9.2 U7.1 | length 1.4
  Top Layer w0.2: U7.1 36.724,26.837 36.795,26.908 C9.2
NetC10_1: C10.1 U7.3 | length 3.8
  Top Layer w0.2: U7.3 35.426,26.07 36.151,25.345 37.563,25.345 C10.1
NetC11_2: C11.2 U7.15 U7.16 U7.17 | length 2.7
  Top Layer w0.2: C11.2 27.357,21.035 U7.17
NetCN3_1: CN3.1 Q4.3 | length 6.6
  Top Layer w0.635: Q4.3 15,8.25 ccw(c15,9.25) 16,9.25 CN3.1
NetL1_2: L1.2 R6.1 | length 1
  Top Layer w0.2: L1.2 R6.1
NetL2_2: L2.2 U2.24 | length 31
  Top Layer w0.2: L2.2 40.258,2.508 40.75,3 v1(40.75,4.75) ; v1(46,13.317) 46,14.517 46.309,14.826 46.309,23.572 47.034,24.297 U2.24
  Bottom Layer w0.2: v1(40.75,4.75) 41.871,5.871 41.871,11.088 41.718,11.241 41.718,13.171 42.193,13.646 44.836,13.646 44.958,13.768 45.035,13.768 45.063,13.796 45.52,13.796 v1(46,13.317)
NetR5_2: R5.2 U1.5 U4.5 | length 8.8
  Top Layer w0.3: U4.5 21.626,30.376 22.006,30.756 23.256,30.756 23.5,31 U1.5 23.5,32.801 23.301,33 R5.2
NetR8_2: R8.2 U3.5 U4.8 | length 9.1
  Top Layer w0.3: R8.2 18.324,33 18.5,32.824 U3.5 18.525,31.565 18.525,30.958 18.79,30.693 19.926,30.693 20.428,30.192 20.428,29.261 19.675,28.509 U4.8
NetR13_2: R13.2 U5.5 U7.8 | length 8.3
  Top Layer w0.3: U7.8 32.175,30.425 32.5,30.75 33.25,30.75 33.5,31 U5.5 33.5,32.792 33.292,33 R13.2
NetR14_2: R14.2 U6.5 U7.9 | length 10
  Top Layer w0.3: R14.2 28.276,33 28.5,32.776 U6.5 28.5,31 28.75,30.75 31.25,30.75 31.525,30.475 U7.9
RTS: *1.2 *3.24 R10.1 | length 13.2
  Top Layer w0.178: *3.24 1.434,11.5 0.95,11.984 0.95,13.946 1.254,14.25 3.75,14.25 4.55,15.05 *1.2 4.754,15.933 4.038,16.648 4.038,18.443 3.761,18.72 2.978,18.72 R10.1
Serial1_RX: Q3.4 U2.37 | length 12.3
  Top Layer w0.2: Q3.4 34.5,9.997 34.741,10.237 38.263,10.237 38.5,10 38.5,9.422 38.895,9.027 U2.37
Serial1_TX: Q3.3 U2.36 | length 15.2
  Top Layer w0.2: Q3.3 32.5,10.215 32.849,10.564 38.398,10.564 38.827,10.135 38.827,9.57 39.043,9.354 42.205,9.354 42.423,9.572 42.423,10.063 42.657,10.297 U2.36
VCC-3V3: C2.1 C3.1 L1.1 L2.1 Q1.2 Q2.2 R1.1 R2.1 R3.1 R4.1 R7.2 R17.2 U2.2 U8.2 U8.4 | length 187.4
  Top Layer w0.2: R7.2 6.508,18.728 6.706,18.926 8.902,18.926 9.148,18.68 9.148,16.266 9.407,16.008 14.292,16.008 14.75,15.55 14.75,14.619 15.119,14.25 22.043,14.25 23.301,12.992 C3.1 ; U8.4 32.733,13.507 34.669,13.507 ; R2.1 R1.1 34.669,13.507 ; R4.1 R3.1 34.669,13.507 ; 38.398,3.75 38.398,0.852 38.75,0.5 L2.1 ; L1.1 43,1.242 43,6.886
  Top Layer w0.3: C3.1 25.474,12.992 U8.2@26.032,13.55 ; C2.1 26.408,14.992 26.75,14.65 U8.2 ; R17.2 49.25,30.25
  Top Layer w0.5: Q1.2 24.75,40 25.5,40.75 48,40.75 49.25,39.5 ; U8.2@27.436,13.55 U8.2@27.735,13.252 ; 29.574,13.55 29.574,10.765 28.944,10.135 27.916,10.135 27.385,9.605 27.385,4.303 27.938,3.75 38.398,3.75 39.18,3.75 39.75,4.32 39.75,5.987 40.44,6.677 59.333,6.677 60,7.344 60,8.5 ; Q2.2 56.5,39.75 55.5,40.75 50.5,40.75 49.25,39.5 ; U2.2 60.527,9.027 60,8.5 ; 49.25,39.5 49.25,30.25 49.25,28.803 49.999,28.054 59.145,28.054 60.073,27.126 60.073,24.62 59.47,24.016 58.617,24.016 58,23.4 58,10.5 60,8.5
  Top Layer w1: U8.2 27.436,13.55 29.574,13.55 U8.4
VCC-INA: R16.1 R17.1 U1.3 U3.3 U5.3 U6.3 | length 26.4
  Top Layer w0.2: U3.3 19.15,29.825 19.225,29.75 v1(19.75,29.75) ; U1.3 24.15,29.825 24.225,29.75 v1(24.75,29.75) ; U6.3 29.15,29.825 29.225,29.75 v1(29.75,29.75) ; U5.3 34.15,29.825 34.225,29.75 v1(35,29.75) ; v1(41.5,29.75) 41.992,29.75
  Top Layer w0.3: R16.1 41.992,29.75 R17.1
  Bottom Layer w0.2: v1(19.75,29.75) v1(24.75,29.75) v1(29.75,29.75) v1(35,29.75) v1(41.5,29.75)
VCC-motor: C4.2 C7.2 C8.2 C10.2 C12.2 C13.2 C16.2 C17.2 C18.2 CN3.2 Q4.1 R16.2 U4.4 U4.11 U7.4 U7.11 U8.3 | length 105.5
  Top Layer w0.2: U4.4 U4.4@22.276,27.46
  Top Layer w0.3: C8.2 13.969,24.939 13.969,25.877 C7.2 14.5,28 15,28.5 17.234,28.5 17.724,28.01 U4.11 ; U4.4@22.276,27.46 22.276,28.01 22.766,28.5 26.373,28.5 27,27.873 ; C4.2 26.2,23.892 26.2,24.408 ; C12.2 26.2,24.408 ; U7.11 30.203,26.787 30.203,28.012 29.715,28.5 27.627,28.5 27,27.873 ; U7.4 34.776,28 35.234,28.458 38,28.458 38.531,27.927 38.531,26.837 ; C10.2 38.531,24.423 38.531,26.837 ; R16.2 43.008,27.392 42.452,26.837 38.531,26.837 ; 26.2,24.408 26.2,25.608 C13.2 27,27.873
  Top Layer w1: C18.2 C17.2 ; Q4.1 12.95,11.276 ccw(c11.926,11.276) C16.2 C17.2 ; U8.3 CN3.2 19.444,12.806 ccw(c18.372,11.734) 18.372,13.25 C17.2
  Bottom Layer w0.5: v1@13.75,25.097 v1@13.75,25.75 ; v1(13.827,25.72) 14.466,25.72 ; 14.5,25.72 14.466,25.72 ; v1@26.625,26.223 26.122,25.72 14.466,25.72 ; v1(26.65,26.197) 34.457,26.197 34.75,26.49 v1@34.75,27.5 ; v1(12.25,12.5) 12.6,13.223 ; v1(12.25,12.5) v1(12.95,12.5) ; v1(12.25,12.5) v1(12.25,13.946) ; v1(12.25,13.946) 12.25,13.947 12.6,14.297 ; v1(12.25,13.946) 12.6,13.946 ; v1(12.25,13.946) 12.6,13.223 ; 12.6,13.223 v1(12.95,12.5) ; 12.6,13.223 v1(12.95,13.946) ; 12.6,13.946 12.6,14.297 ; 12.6,13.946 v1(12.95,13.946) ; 12.6,14.297 12.6,23.856 v1(13.841,25.097) 13.843,25.097 14.466,25.72 ; 12.6,14.297 12.95,13.947 v1(12.95,13.946) ; v1(12.95,12.5) v1(12.95,13.946)
  other v1: 26.196,25.765 34.74,26.48 34.74,27.055 34.754,27.636
VCC-USB: *3.7 *3.8 C14.1 C15.2 R15.1 USBC1.A4B9 USBC1.B4A9 | length 14.8
  Top Layer w0.178: C14.1 8.732,9.49 8.732,10.526 R15.1
  Top Layer w0.254: *3.7 6,8.422 6.025,8.397 6.6,8.397 7,7.996 8.238,7.996 C15.2 C14.1 7.742,9.5 *3.8 ; C15.2@8.246,8 8.246,7.996 8.369,7.873 8.373,7.873 9.091,7.155 9.091,6.408 USBC1.B4A9
  Bottom Layer w1.524: v1(4.226,6.305) 4.297,6.233 v1(9.227,6.233)
  other v1: 9.141,5.658 4.416,5.738 4.426,6.851 9.148,6.839
pads on no net: *3.1 *3.2 *3.6 *3.10 *3.11 *3.12 *3.13 *3.14 *3.15 *3.16 *3.17 *3.18 *3.19 *3.20 *3.21 *3.22 *3.23 *3.27 CN1.4 CN1.5 CN2.4 CN2.5 CN3.3 CN3.4 Q1.5 Q1.6 Q2.5 Q2.6 Q3.5 Q3.6 U2.14 U2.15 U2.16 U2.17 U2.18 U2.19 U2.20 U2.21 U2.22 U2.23 U2.32 U4.18 U7.18 USBC1.27 USBC1.A8 USBC1.B8

## Polygon pours and split planes (outlines as drawn)
GND on Top Layer "GND_L01_P000" (solid, pour order 0): 0,2 0,24 ccw(c-2,24) -0.4,25.2 cw(c2,27) -0.4,28.8 ccw(c-2,30) 0,30 0,43 cw(c2,43) 2,45 63,45 cw(c63,43) 65,43 65,34 ccw(c67,34) 65.4,32.8 cw(c63,31) 65.4,29.2 ccw(c67,28) 65,28 65,2 cw(c63,2) 63,0 62,0 62,6.5 43.5,6.5 43.5,0 2,0 cw(c2,2)
GND on Bottom Layer "GND_L02_P001" (solid, pour order 1): 0,2 0,24 ccw(c-2,24) -0.4,25.2 cw(c2,27) -0.4,28.8 ccw(c-2,30) 0,30 0,43 cw(c2,43) 2,45 63,45 cw(c63,43) 65,43 65,34 ccw(c67,34) 65.4,32.8 cw(c63,31) 65.4,29.2 ccw(c67,28) 65,28 65,2 cw(c63,2) 63,0 62,0 62,6.5 43.5,6.5 43.5,0 2,0 cw(c2,2)

## Keep-outs
Keep-Out Layer:
  circle w0.013: c63,31 r1.05
  circle w0.013: c2,27 r1.05
  lines w0.013: -0.4,25.2 cw(c-2,24) 0,24 0,2 ccw(c2,2) 2,0 43.5,0 43.5,6.25 62,6.25 62,0 63,0 ccw(c63,2) 65,2 65,28 cw(c67,28) 65.4,29.2 ccw(c63,31) 65.4,32.8 cw(c67,34) 65,34 65,43 ccw(c63,43) 63,45 2,45 ccw(c2,43) 0,43 0,30 cw(c-2,30) -0.4,28.8 ccw(c2,27) -0.4,25.2

## Silkscreen, mask and mechanical layers (free items; w line width, h text height)
Top Overlay:
  lines w0.5: 6.05,28.45 13.45,28.45 13.45,31.05 6.05,31.05 6.05,28.45 ; 11.576,16 22.351,16 22.351,18.9 11.576,18.9 11.576,16 ; 48.069,31.45 55.6,31.45 55.6,34.05 48.069,34.05 48.069,31.45
  text "motor 2" at 48.251,31.613 h3
  text "3.3v / 12v" at 39.575,28.685 h1.5
  text "motor 1" at 6.232,28.613 h3
  text "A/14    B/26     SDA/32   iB/35 / C/27    EN/25  SCL/33    iC/34" at 42.5,25.843 h2
  text "A/17   iA/39 / B/18   iB/36 / C/5      SDA/4 / EN/19  SCL/16" at 5.07,21.369 h2
  text "Simple FOC" at 11.803,16.101 h3
  text "JLCJLCJLCJLC" at 49.733,8.75 h3 r90
  text "RX/23 / TX/22" at 35.558,8.207 h2
  text "LED/2" at 38.24,1.911 h2
Bottom Overlay:
  lines w0.254: 60.5,33.2 ccw(c63.069,34.126) 61.852,31.682
  lines w0.5: 4.6,2.75 8.85,2.75 8.85,5.75 4.6,5.75 4.6,2.75 ; 4.75,39.5 14.75,39.5 14.75,42.5 4.75,42.5 4.75,39.5 ; 15,1.75 22,1.75 22,6.75 15,6.75 15,1.75 ; 20.5,39.5 27.5,39.5 27.5,42.5 20.5,42.5 20.5,39.5 ; 28,2.75 35,2.75 35,5.75 28,5.75 28,2.75 ; 36.5,39.5 46.5,39.5 46.5,42.5 36.5,42.5 36.5,39.5 ; 52,39.5 59,39.5 59,42.5 52,42.5 52,39.5 ; 58.836,33.655 62.036,33.655 62.036,36.155 58.836,36.155 58.836,33.655
  lines w1: 10.4,21.674 31.038,21.674 31.038,29.976 10.4,29.976 10.4,21.674
  text "M1 I2C" at 27.619,39.626 h3
  text "M2 I2C" at 59.119,39.626 h3
  text "M1 Power" at 14.81,39.509 h3
  text "M2 Power" at 46.56,39.509 h3
  text "M2" at 61.964,33.745 h3
  text "Moki V2" at 31.038,21.674 h8
  text "Github" at 31.598,18.095 h3
  text "USB" at 8.969,2.876 h3
  text "Serial" at 35.119,2.876 h3
  text "Power / 9v~15v" at 22.119,1.75 h3